# Altium PCB PicoBOB_DLX.pcbdoc (part 3 of 4) (continued)
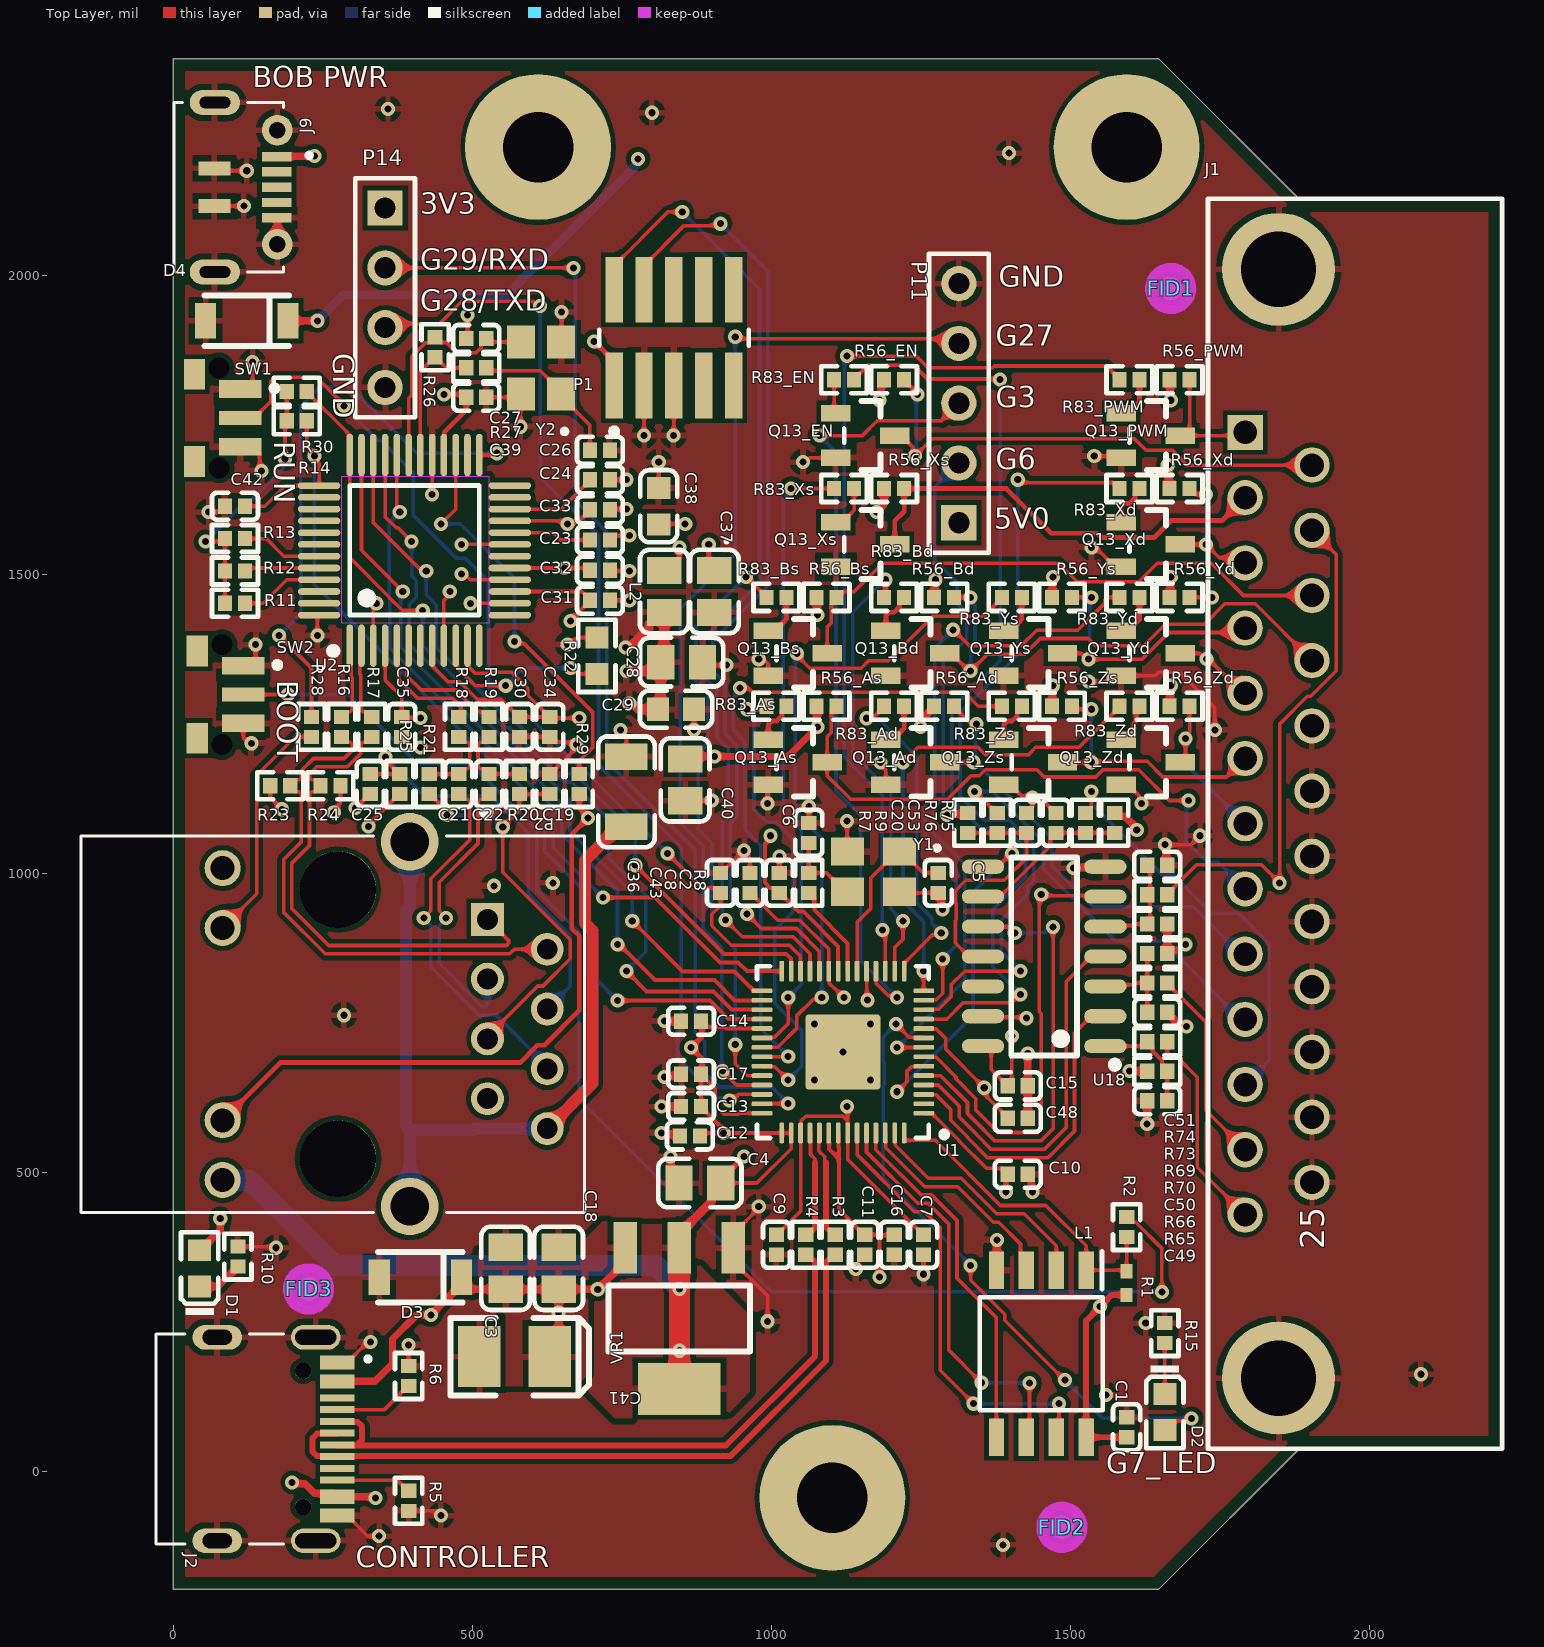
[diagram p0: Top Layer view]
## Nets (pads, with @x,y where several pads share a name; then routed paths per layer and width w, separated by ;. In a path a pad name is that pad's centre, name@x,y a point inside that pad or via, vN(x,y) a via of type N, cw(c..) or ccw(c..) an arc to the next point about the centre after c; other vN are vias at no path point) (continued)
NetC36_2: C36.2 P2.8 P2.15 P2.16 | length 1423.3
  Top Layer w20: P2.8@625.59,573.23 701.1,648.74 701.1,904.51 688.7,916.91 688.7,1021.77 744.68,1077.76 C36.2@757.87,1077.76
  Bottom Layer w20: P2.16@395.67,443.11 395.67,570.87 ; P2.15@395.67,1052.95 395.67,943.91 389.3,937.54 389.3,577.24 395.67,570.87 ; P2.8@625.59,573.23 503.72,573.23 501.36,570.87 395.67,570.87
NetC49_2: C49.2 R65.1 R66.2 U18.1 | length 185.2
  Top Layer w6: U18.1@1559.06,711.22 1621.65,711.22 R66.2@1628.94,718.5 1637.75,709.69 1637.75,703.01 1653.59,687.16 1653.59,678.1 R65.1@1662.4,669.29 C49.2@1662.4,620.08
NetC50_2: C50.2 R69.1 R70.2 U18.3 | length 170.7
  Top Layer w6: U18.3@1559.06,811.22 1561.61,813.78 1603.49,813.78 1606.64,816.93 R70.2@1628.94,816.93 ; C50.2@1628.94,767.72 R69.1@1628.94,866.14
NetC51_2: C51.2 R73.1 R74.2 U18.5 | length 174.1
  Top Layer w6: U18.5@1559.06,911.22 1560.82,912.99 1603.49,912.99 1605.85,915.35 R73.1@1628.94,915.35 1633.86,920.28 1633.86,1008.86 C51.2@1628.94,1013.78
NetC53_2: C53.2 R75.1 R76.2 U18.9 | length 272.7
  Top Layer w6: U18.9@1354.33,961.22 1382.36,961.22 1466.58,1045.44 1466.58,1059.1 1475.39,1067.91 C53.2@1476.38,1067.91 R75.1@1574.8,1067.91
NetD1_K: D1.K R10.1 | length 78.3
  Top Layer w12: D1.K@44.29,309.25 75,309.25 101.47,335.72 101.47,336.71 107.28,342.52 R10.1@108.27,342.52
NetD2_K: D2.K R15.2 | length 85
  Top Layer w6: D2.K@1658.46,129.53 R15.2@1658.46,214.57
NetP2_10: P2.10 R28.2 | length 397.1
  Top Layer w6: P2.10@82.68,908.86 139.6,965.78 139.6,1164 203.94,1228.35 R28.2@231.3,1228.35
NetP2_11: P2.11 R29.2 | length 1057
  Top Layer w8: P2.11@82.68,587.2 179.19,683.72 580.2,683.72 609.22,712.74 620.98,712.74 679.1,770.86 679.1,895.39 666.7,907.8 666.7,1065.32 v1(693.9,1092.52) 693.9,1094.3 679.13,1109.06 R29.2@679.13,1132.87
NetQ13_Ad_1: Q13_Ad.1 R83_Ad.2 | length 75.1
  Top Layer w8: Q13_Ad.1@1191.99,1223.43 1202.82,1223.43 1222.44,1243.05 R83_Ad.2@1222.44,1279.53
NetQ13_As_1: Q13_As.1 R83_As.2 | length 73.5
  Top Layer w8: Q13_As.1@995.14,1223.43 995.14,1249.08 1000.8,1254.74 1008.9,1254.74 1017.78,1263.62 1017.78,1271.72 R83_As.2@1025.59,1279.53
NetQ13_Bd_1: Q13_Bd.1 R83_Bd.2 | length 73.5
  Top Layer w8: Q13_Bd.1@1191.99,1405.51 1191.99,1431.17 1197.65,1436.83 1205.75,1436.83 1214.63,1445.7 1214.63,1453.8 R83_Bd.2@1222.44,1461.61
NetQ13_Bs_1: Q13_Bs.1 R83_Bs.2 | length 75.1
  Top Layer w8: Q13_Bs.1@995.14,1405.51 1005.97,1405.51 1025.59,1425.13 R83_Bs.2@1025.59,1461.61
NetQ13_EN_1: Q13_EN.1 R83_EN.2 | length 57.4
  Top Layer w6: R83_EN.2@1105.31,1825.79 1105.31,1772.7 Q13_EN.1@1108.33,1769.68
NetQ13_PWM_1: Q13_PWM.1 R83_PWM.2 | length 75.1
  Top Layer w8: Q13_PWM.1@1585.69,1769.68 1596.52,1769.68 1616.14,1789.31 R83_PWM.2@1616.14,1825.79
NetQ13_Xd_1: Q13_Xd.1 R83_Xd.2 | length 73.5
  Top Layer w8: Q13_Xd.1@1585.69,1587.6 1585.69,1613.25 1591.35,1618.91 1599.46,1618.91 1608.33,1627.79 1608.33,1635.89 R83_Xd.2@1616.14,1643.7
NetQ13_Xs_1: Q13_Xs.1 R83_Xs.2 | length 75.1
  Top Layer w6: Q13_Xs.1@1108.33,1587.6 1119.16,1587.6 1138.78,1607.22 R83_Xs.2@1138.78,1643.7
NetQ13_Yd_1: Q13_Yd.1 R83_Yd.2 | length 75.1
  Top Layer w8: Q13_Yd.1@1585.69,1405.51 1596.52,1405.51 1616.14,1425.13 R83_Yd.2@1616.14,1461.61
NetQ13_Ys_1: Q13_Ys.1 R83_Ys.2 | length 75.1
  Top Layer w8: Q13_Ys.1@1388.84,1405.51 1399.67,1405.51 1419.29,1425.13 R83_Ys.2@1419.29,1461.61
NetQ13_Zd_1: Q13_Zd.1 R83_Zd.2 | length 75.1
  Top Layer w8: Q13_Zd.1@1585.69,1223.43 1596.52,1223.43 1606.3,1233.2 1606.3,1250.95 1610.08,1254.73 1610.08,1273.46 R83_Zd.2@1616.14,1279.53
NetQ13_Zs_1: Q13_Zs.1 R83_Zs.2 | length 73.5
  Top Layer w8: Q13_Zs.1@1388.84,1223.43 1388.84,1249.08 1394.5,1254.74 1402.61,1254.74 1411.48,1263.62 1411.48,1271.72 R83_Zs.2@1419.29,1279.53
NetR11_2: R11.2 U2.45 | length 140.3
  Top Layer w6: R11.2@120.08,1451.77 150.69,1451.77 190.06,1491.14 U2.45@244.09,1491.14
NetR12_2: R12.2 U2.44 | length 126.1
  Top Layer w6: R12.2@120.08,1505.91 125,1510.83 U2.44@244.09,1510.83
NetR13_2: R13.2 U2.43 | length 136.2
  Top Layer w6: R13.2@120.08,1560.04 155.61,1560.04 185.14,1530.51 U2.43@244.09,1530.51
NetR22_2: R22.2 U2.10 | length 300
  Top Layer w6: U2.10@472.44,1380.91 472.44,1349.62 475.62,1346.44 475.62,1344.03 505.68,1313.98 v1(556.1,1313.98) ; v1(664.37,1343.5) 669.14,1343.5 678.98,1333.66 R22.2@708.66,1333.66
  Bottom Layer w6: v1(556.1,1313.98) 585.63,1343.5 v1(664.37,1343.5)
PICO_RUN: C43.2 SW1.2 U1.26 | length 1607.8
  Top Layer w6: SW1.2@112.2,1761.81 135.83,1761.81 163.36,1789.35 163.36,1823.23 170.02,1829.89 239.79,1829.89 285.43,1784.25 v1(285.43,1781.5) ; v1(826.77,1033.46) 883.91,976.33 906.54,976.33 C43.2@912.78,970.09 ; C43.2@915.35,967.52 915.35,946.11 900.76,931.52 900.76,912.62 933.41,879.97 1030.69,879.97 1048.39,862.27 1048.39,837.43 U1.26@1049.21,836.61
  Bottom Layer w6: v1(285.43,1781.5) 342.81,1724.12 347.73,1724.12 401.74,1670.11 401.74,1598.49 472.84,1527.39 488.12,1527.39 527.29,1488.23 527.29,1310.54 566.46,1271.37 586.14,1271.37 676.56,1180.96 679.28,1180.96 v1(826.77,1033.46)
PICO_SWCLK: P1.4 U1.24 | length 1635.1
  Top Layer w6: P1.4@787.4,1976.18 787.4,2016.54 854.36,2083.5 912.24,2083.5 v1(915.35,2086.61) ; v1(959.65,931.9) 983.57,907.97 1042.29,907.97 1080.71,869.55 U1.24@1080.71,836.61
  Bottom Layer w6: v1(915.35,2086.61) 994.47,2007.5 994.47,1480.82 902.39,1388.74 902.39,1338.98 922.84,1318.53 922.84,1233.99 942.31,1214.52 942.31,1094.65 931.92,1084.26 931.92,959.62 v1(959.65,931.9)
PICO_SWDIO: P1.2 U1.25 | length 1684.3
  Top Layer w6: P1.2@737.4,1976.18 737.4,2016.54 827.17,2106.3 v1(851.38,2106.3) ; v1(923.56,922.07) 951.66,893.97 1036.49,893.97 1064.96,865.5 U1.25@1064.96,836.61
  Bottom Layer w6: v1(851.38,2106.3) 980.47,1977.2 980.47,1486.62 888.39,1394.54 888.39,1327.78 908.84,1307.33 908.84,1228.19 928.31,1208.72 928.31,1100.45 917.92,1090.06 917.92,932.48 923.56,926.84 v1(923.56,922.07)
PROBE: U1.6 U18.8 | length 608.5
  Top Layer w6: v1(1210.63,634.84) 1227.2,651.41 1227.2,669.25 1234.79,676.84 1241.19,676.84 1242.01,677.66 U1.6@1255.41,677.66 ; U18.8@1354.33,1011.22 1379.13,1011.22 1401.38,1033.46 v1(1402.56,1033.46)
  Bottom Layer w6: v1(1210.63,634.84) 1337.55,761.76 1337.55,968.45 v1(1402.56,1033.46)
PROBE_5V: J1.11 R76.1 | length 714.4
  Top Layer w6: R76.1@1525.59,1101.38 1526.57,1101.38 1535.39,1110.19 1535.39,1115.95 1535.43,1116 v1(1535.43,1136.81)
  Bottom Layer w6: v1(1535.43,1136.81) 1536,1136.25 1536,1116 1654.48,997.52 1672.68,997.52 1736.6,933.59 1781.48,933.59 1833.24,881.84 1833.24,687.47 J1.11@1792.72,646.95 J1.11@1792.72,639.57
QSPI_SCLK: L1.6 U1.52 | length 680.8
  Top Layer w6: U1.52@1159.45,565.94 1159.45,533.99 1245.16,448.27 1262.27,448.27 1296.86,413.68 1296.86,202.96 v1(1351.54,148.27) ; L1.6@1426.77,57.09 1432.09,62.4 v1(1432.09,147.64)
  Bottom Layer w6: v1(1351.54,148.27) 1351.86,147.96 1431.77,147.96 v1(1432.09,147.64)
QSPI_SD0: L1.5 U1.53 | length 602.4
  Top Layer w6: U1.53@1175.2,565.94 1175.2,538.04 1250.96,462.27 1268.06,462.27 1310.86,419.48 1310.86,322.89 1376.77,256.98 L1.5@1376.77,57.09
QSPI_SD1: L1.2 U1.55 | length 400.4
  Top Layer w6: U1.55@1206.69,565.94 1207.51,565.13 1207.51,545.32 1262.56,490.27 1317.92,490.27 1377.48,430.72 1423.16,430.72 1476.77,377.11 L1.2@1476.77,336.61
QSPI_SD2: L1.3 U1.54 | length 364.7
  Top Layer w6: U1.54@1190.94,565.94 1191.76,565.13 1191.76,541.27 1256.76,476.27 1312.12,476.27 1371.68,416.72 1380.67,416.72 1416.98,380.41 1416.98,346.41 L1.3@1426.77,336.61
QSPI_SD3: L1.7 U1.51 | length 744.2
  Top Layer w6: U1.51@1143.7,565.94 1143.7,529.94 1239.36,434.27 1256.47,434.27 1282.86,407.88 1282.86,168.91 v1(1338.58,113.19) ; L1.7@1476.77,57.09 1481.3,61.61 v1(1481.3,113.19)
  Bottom Layer w6: v1(1338.58,113.19) v1(1481.3,113.19)
QSPI_SS: L1.1 R1.1 R2.2 U1.56 | length 555.3
  Top Layer w6: U1.56@1222.44,565.94 1222.44,554.63 1223.38,553.69 1274.31,553.69 1383.28,444.72 1459.16,444.72 1526.77,377.11 L1.1@1526.77,336.61 1592.52,336.61 R1.1@1594.49,334.65 R2.2@1594.49,391.73
RP_XIN: C5.1 U1.20 Y1.1 | length 307.3
  Top Layer w6: U1.20@1143.7,836.61 1143.7,918.57 1166.85,941.73 1166.85,992.7 1210.63,1036.48 Y1.1@1214.57,1036.48 ; Y1.1@1218.5,1036.48 1254,1000.98 C5.1@1279.53,1000.98
RP_XOUT: R8.2 U1.21 | length 158.4
  Top Layer w6.69: R8.2@1062.99,967.52 1063.98,967.52 1072.44,959.05 1072.44,938.69 1127.95,883.17 U1.21@1127.95,836.61
RX_C_N: C21.1 P2.6 | length 605
  Top Layer w6: v1(419.1,925.2) 419.1,925.82 430.8,937.52 430.8,990.94 495.79,1055.92 495.79,1120.55 492.27,1124.06 486.17,1124.06 C21.1@477.36,1132.87
  Bottom Layer w6: v1(419.1,925.2) 419.1,924.57 430.8,912.87 430.8,843.81 511.31,763.3 527.87,763.3 527.93,763.36 539.93,763.36 625.59,677.69 P2.6@625.59,673.23
RX_C_P: C22.1 P2.3 | length 485.7
  Top Layer w6: v1(456.5,925.2) 456.5,925.82 444.8,937.52 444.8,985.14 509.79,1050.12 509.79,1120.55 513.3,1124.06 519.4,1124.06 C22.1@528.22,1132.87
  Bottom Layer w6: v1(456.5,925.2) 456.5,924.57 444.8,912.87 444.8,849.61 517.11,777.3 522.08,777.3 525.59,780.82 P2.3@525.59,823.23
RX_N: C21.2 R18.1 R21.2 | length 133.6
  Top Layer w6: R21.2@428.15,1166.34 C21.2@477.36,1166.34 486.17,1175.15 492.27,1175.15 495.79,1178.66 495.79,1216.02 492.27,1219.54 486.17,1219.54 R18.1@477.36,1228.35
RX_P: C22.2 R19.1 R20.2 | length 135.3
  Top Layer w6: R19.1@528.22,1228.35 519.4,1219.54 513.3,1219.54 509.79,1216.02 509.79,1178.66 513.3,1175.15 519.4,1175.15 C22.2@528.22,1166.34 R20.2@579.07,1166.34
RX_R_N: R18.2 U2.5 | length 199.4
  Top Layer w6: U2.5@374.02,1380.91 374.02,1349.62 376.86,1346.78 376.86,1324.69 408.84,1292.71 467.55,1292.71 481.15,1279.11 481.15,1265.6 R18.2@477.36,1261.81
RX_R_P: R19.2 U2.6 | length 218.7
  Top Layer w6: U2.6@393.7,1380.91 393.7,1349.62 390.86,1346.78 390.86,1330.49 414.64,1306.71 473.35,1306.71 501.15,1278.91 501.15,1276.62 507.15,1270.62 519.4,1270.62 R19.2@528.22,1261.81
SCL/RXD: P14.2 U1.41 | length 1957.1
  Top Layer w6: P14.2@354.33,2012.8 v1(669.29,2012.8) ; U1.41@984.74,614.67 984.99,614.91 1028.3,614.91 v1(1028.54,615.16)
  Bottom Layer w6: v1(669.29,2012.8) 672.41,2009.68 672.41,1623.73 725.23,1570.91 725.23,1187.06 872.76,1039.53 872.76,734.3 888.94,718.11 888.94,666.59 912.66,642.88 1000.82,642.88 v1(1028.54,615.16)
SDA/TXD: P14.3 U1.40 | length 1813.5
  Top Layer w6: P14.3@354.33,1912.8 360.99,1919.46 445.28,1919.46 482.68,1956.86 601.27,1956.86 608.88,1949.25 v1(613.64,1949.25) ; v1(930.12,620.08) 934.89,620.08 945.22,630.41 U1.40@984.74,630.41
  Bottom Layer w6: v1(613.64,1949.25) 613.64,1662.7 711.23,1565.11 711.23,1181.26 849.57,1042.91 849.57,748.43 843.34,742.19 843.34,692.4 912.29,623.45 926.75,623.45 v1(930.12,620.08)
SPI_CLK: U1.29 U2.33 | length 1232.3
  Top Layer w6: U2.33@354.33,1699.8 354.33,1596.69 373.14,1577.88 375.86,1577.88 v1(398.62,1555.12)
  Top Layer w6.69: v1(767.72,920.28) 851.75,836.24 938.86,836.24 970.87,804.23 984.15,804.23 U1.29@984.74,803.64
  Bottom Layer w6: v1(398.62,1555.12) 398.62,1498.26 406.66,1490.22 406.66,1461.51 394.49,1449.33 394.49,1383.94 549.06,1229.37 556.7,1229.37 663.67,1122.41 663.67,1070.7 767.72,966.65 v1(767.72,920.28)
SPI_CSn: U1.28 U2.32 | length 1252.3
  Top Layer w6: U2.32@374.02,1699.8 374.02,1614.02 378.94,1609.1 v1(378.94,1604.33)
  Top Layer w6.69: v1(718.5,959.65) 805.99,959.65 914.7,850.93 944.94,850.93 959.26,836.61 U1.28@1017.72,836.61
  Bottom Layer w6: v1(378.94,1604.33) 361.06,1586.45 361.06,1462.01 362.37,1460.7 362.37,1376.47 537.46,1201.37 545.1,1201.37 635.67,1110.81 635.67,1042.48 v1(718.5,959.65)
SPI_PICO: U1.30 U2.35 | length 1283.7
  Top Layer w6: U2.35@314.96,1699.8 314.96,1540.35 v1(383.86,1471.46)
  Top Layer w6.69: v1(743.11,880.91) 746.32,880.91 805.68,821.55 905.32,821.55 938.98,787.89 U1.30@984.74,787.89
  Bottom Layer w6: v1(383.86,1471.46) 380.49,1468.09 380.49,1378.15 543.26,1215.37 550.9,1215.37 649.67,1116.61 649.67,1064.9 743.11,971.46 v1(743.11,880.91)
SPI_POCI: U1.27 U2.34 | length 1230
  Top Layer w6: U2.34@334.65,1699.8 334.65,1586.85 412.21,1509.28 419.86,1509.28 v1(423.23,1505.91)
  Top Layer w6.69: v1(772.64,1013.78) 920.79,865.63 1024.75,865.63 1032.99,857.38 1032.99,837.09 U1.27@1033.46,836.61
  Bottom Layer w6: v1(423.23,1505.91) 423.23,1466.2 440.1,1449.33 440.1,1377.94 560.66,1257.37 568.3,1257.37 658.71,1166.96 671.51,1166.96 772.64,1065.83 v1(772.64,1013.78)
SPINDLE_PWM: R83_PWM.1 U1.17 | length 1533.6
  Top Layer w6: v1(1126.97,1865.16) 1243.02,1865.16 1262.28,1845.9 1370.74,1845.9 1373.43,1848.59 1560.86,1848.59 1582.68,1826.77 R83_PWM.1@1582.68,1825.79 ; v1(1186.02,905.51) 1186.02,900.74 1190.94,895.82 U1.17@1190.94,836.61
  Bottom Layer w6: v1(1126.97,1865.16) 1126.97,1860.39 1122.43,1855.85 1122.43,1194.43 1186.02,1130.84 v1(1186.02,905.51)
SPINDLE_PWM_5V: J1.1 Q13_PWM.3 R56_PWM.1 | length 204.4
  Top Layer w6: Q13_PWM.3@1684.12,1732.28 Q13_PWM.3@1689.02,1732.28 ; R56_PWM.1@1699.8,1825.79 1699.8,1743.06 Q13_PWM.3@1689.02,1732.28 ; J1.1@1790.55,1732.28 Q13_PWM.3@1689.02,1732.28
STEP_A: R83_As.1 U1.37 | length 789.9
  Top Layer w6: v1(959.65,1274.61) 987.2,1274.61 R83_As.1@992.13,1279.53 ; U1.37@984.74,677.66 985.56,676.84 1006.23,676.84 v1(1028.54,654.53)
  Bottom Layer w6: v1(959.65,1274.61) 959.65,1269.84 971.29,1258.19 971.29,1107.68 993.18,1085.8 1008.46,1085.8 1036.58,1057.67 1036.58,935.7 1005.74,904.85 1005.74,782.88 1051.35,737.27 1051.35,677.33 v1(1028.54,654.53)
STEP_A_5V: J1.8 Q13_As.3 R56_As.1 | length 1003.3
  Top Layer w6: R56_As.1@1109.25,1279.53 1100.56,1270.83 1100.56,1235.63 1093.57,1228.64 1093.57,1163.24 1132.96,1123.85 1295.03,1123.85 1334.4,1163.22 1348.03,1163.22 1358.2,1173.39 1444.48,1173.39 1456.63,1161.25 1542.91,1161.25 1555.05,1173.39 1614.85,1173.39 1666.2,1122.05 v1(1697.83,1122.05)
  Bottom Layer w6: v1(1697.83,1122.05) 1694.72,1118.93 1694.72,1053.55 1729.36,1018.91 1747.92,1018.91 J1.8@1792.72,974.11 J1.8@1792.72,966.73
STEP_B: R83_Bs.1 U1.38 | length 991.5
  Top Layer w6: v1(939.96,713.58) 939.96,681.97 960.02,661.91 U1.38@984.74,661.91 ; v1(957.67,1496.06) 958.66,1496.06 992.13,1462.6 R83_Bs.1@992.13,1461.61
  Bottom Layer w6: v1(939.96,713.58) 939.96,873.42 900.76,912.62 900.76,1051.15 877.79,1074.12 877.79,1200.39 893.87,1216.47 893.87,1302.51 874.39,1321.98 874.39,1412.79 v1(957.67,1496.06)
STEP_B_5V: J1.16 Q13_Bs.3 R56_Bs.1 | length 970.5
  Top Layer w6: Q13_Bs.3@1093.57,1368.11 1093.57,1411.86 1100.56,1418.85 1100.56,1452.92 1115.85,1468.22 1115.85,1469.2 1118.06,1471.41 1138.96,1471.41 1186.42,1518.87 1480.9,1518.87 1511.74,1488.02 1614.85,1488.02 1645.69,1518.87 1735.94,1518.87 1789.94,1464.86 1897.15,1464.86 J1.16@1904.53,1457.48
STEP_X: R83_Xs.1 U1.34 | length 1047.3
  Top Layer w6: U1.34@984.74,724.9 985.56,725.72 1005.37,725.72 1028.54,748.9 v1(1028.54,792.32) ; v1(1033.46,1643.7) R83_Xs.1@1105.32,1643.7
  Bottom Layer w6: v1(1028.54,792.32) 1050.58,814.36 1050.58,1072.57 1020.5,1102.65 1020.5,1627.23 1033.46,1640.19 v1(1033.46,1643.7)
STEP_X_5V: J1.2 Q13_Xs.3 R56_Xs.1 | length 731.8
  Top Layer w8: Q13_Xs.3@1206.76,1550.2 1206.76,1589.6 1222.44,1605.28 R56_Xs.1@1222.44,1643.7 1393.5,1643.7 1468.12,1569.08 1545.54,1569.08 1552.8,1561.83 1640.4,1561.83 1668.83,1590.25 1754.52,1590.25 J1.2@1792.72,1628.44
STEP_Y: R83_Ys.1 U1.35 | length 1146.6
  Top Layer w6: U1.35@984.74,709.15 1010.97,709.15 1042.54,740.73 1042.54,761.58 1069.91,788.95 1081.27,788.95 v1(1084.65,792.32) ; v1(1043.31,1368.11) 1043.31,1364.44 1064.41,1343.34 1150.69,1343.34 1162.83,1355.48 1195.89,1355.48 1270.69,1430.28 1355.48,1430.28 1385.83,1460.63 R83_Ys.1@1385.83,1461.61
  Bottom Layer w6: v1(1043.31,1368.11) 1040.19,1364.99 1040.19,1102.76 1084.65,1058.3 v1(1084.65,792.32)
STEP_Y_5V: J1.4 Q13_Ys.3 R56_Ys.1 | length 465.9
  Top Layer w6: Q13_Ys.3@1487.27,1368.11 1518.86,1368.11 1528.7,1358.27 1620.34,1358.27 1665.03,1402.95 J1.4@1792.72,1402.95 ; R56_Ys.1@1502.95,1461.61 v1(1535.43,1461.61)
  Bottom Layer w6: v1(1530.51,1358.27) 1532.97,1360.73 1532.97,1459.15 v1(1535.43,1461.61)
STEP_Z: R83_Zs.1 U1.36 | length 1149.3
  Top Layer w6: v1@954.8,1317.12 968.6,1303.32 1322.47,1303.32 1346.25,1279.53 R83_Zs.1@1385.83,1279.53 ; U1.36@984.74,693.41 984.99,693.65 1028.3,693.65 v1(1028.54,693.9)
  Bottom Layer w6: v1(947.74,1310.06) 947.74,1305.29 936.84,1294.4 936.84,1239.79 956.31,1220.32 956.31,1073.44 982.45,1047.31 982.45,739.99 v1(1028.54,693.9)
STEP_Z_5V: J1.6 Q13_Zs.3 R56_Zs.1 | length 449.7
  Top Layer w6: Q13_Zs.3@1487.27,1186.02 v1(1535.43,1186.02) 1536.8,1187.39 1628.82,1187.39 1654.96,1161.25 1761.74,1161.25 1785.33,1184.84 J1.6@1792.72,1184.84 ; R56_Zs.1@1502.95,1279.53 1507.87,1274.61 v1(1535.43,1274.61)
  Bottom Layer w6: v1(1535.43,1186.02) v1(1535.43,1274.61)
STP_EN_XYZAB: R83_EN.1 U1.11 | length 1623.6
  Top Layer w6: R83_EN.1@1138.78,1825.79 1138.78,1826.77 1161.58,1849.57 1238.8,1849.57 1261.44,1826.94 1381.72,1826.94 v1(1382.87,1825.79) ; U1.11@1255.41,756.4 1293.64,756.4 1321.26,784.02 1401.11,784.02 1414.33,797.24 v1(1417.32,797.24)
  Bottom Layer w6: v1(1382.87,1825.79) 1382.87,1355.55 1301.78,1274.45 1301.78,1123.6 1350.32,1075.05 1393.22,1075.05 1425.36,1042.91 1425.36,994.51 1370.68,939.82 1370.68,843.89 v1(1417.32,797.24)
STP_EN_XYZAB_5V: J1.14 Q13_EN.3 R56_EN.1 | length 888.6
  Top Layer w6: Q13_EN.3@1206.76,1732.28 1217.58,1732.28 1236.85,1713.02 1236.85,1701.14 v1(1240.16,1697.83) 1269.26,1726.94 1607.57,1726.94 1626.99,1707.51 1671.19,1707.51 1695.73,1682.97 J1.14@1904.53,1682.97 ; R56_EN.1@1222.44,1825.79 1222.44,1824.8 1245.08,1802.17 v1(1245.08,1801.18)
  Bottom Layer w6: v1(1240.16,1697.83) 1242.62,1700.3 1242.62,1798.72 v1(1245.08,1801.18)
TX_N: P2.2 R16.1 R23.2 | length 876.4
  Top Layer w6: R16.1@281.61,1228.35 290.42,1219.54 296.24,1219.54 299.76,1216.02 299.76,1206.35 285.68,1192.27 234.55,1192.27 213.96,1171.69 213.96,1159.96 210.45,1156.45 204.68,1156.45 195.87,1147.64 195.87,1145.67 204.68,1136.86 210.45,1136.86 213.96,1133.34 213.96,1052.48 184.61,1023.13 184.61,935.35 254.46,865.5 563.12,865.5 570.85,873.23 P2.2@625.59,873.23
TX_P: P2.1 R17.1 R24.2 | length 841.6
  Top Layer w6: R17.1@331.91,1228.35 323.1,1219.54 317.27,1219.54 313.76,1216.02 313.76,1200.55 291.48,1178.27 240.34,1178.27 227.96,1165.89 227.96,1159.96 231.48,1156.45 237.25,1156.45 246.06,1147.64 246.06,1145.67 237.25,1136.86 231.48,1136.86 227.96,1133.34 227.96,1046.68 198.61,1017.33 198.61,941.15 260.26,879.5 557.32,879.5 560.83,883.02 560.83,887.99 P2.1@525.59,923.23
TX_R_N: R16.2 U2.1 | length 131.9
  Top Layer w6: R16.2@281.61,1261.81 290.42,1270.62 296.24,1270.62 299.76,1274.14 299.76,1326.14 298.12,1327.78 298.12,1346.78 295.28,1349.62 U2.1@295.28,1380.91
TX_R_P: R17.2 U2.2 | length 131.9
  Top Layer w6: U2.2@314.96,1380.91 314.96,1349.62 312.12,1346.78 312.12,1333.58 313.76,1331.94 313.76,1274.14 317.27,1270.62 323.1,1270.62 R17.2@331.91,1261.81
UART_TX: P1.6
USB_D_N: J2.A7 J2.B7 R4.1 | length 1117.4
  Top Layer w10: J2.A7@274.41,44.29 275.2,43.5 924.41,43.5 1073.68,192.77 1073.68,349.54 1067.82,355.39 1064.88,355.39 R4.1@1058.07,362.2 ; J2.B7@274.41,83.66 275.2,82.87 308.33,82.87 315.94,75.26 315.94,52.69 308.33,45.08
USB_D_P: J2.A6 J2.B6 R3.1 | length 1182
  Top Layer w10: J2.B6@274.41,24.61 J2.B6@275.2,25.39 ; J2.A6@274.41,63.98 273.62,63.19 240.48,63.19 232.87,55.58 232.87,33 240.48,25.39 J2.B6@275.2,25.39 ; R3.1@1107.28,362.2 1100.47,355.39 1097.53,355.39 1091.68,349.54 1091.68,185.32 931.87,25.5 308.44,25.5 308.33,25.39 J2.B6@275.2,25.39
USB_D_R_N: R4.2 U1.46 | length 182.3
  Top Layer w6: U1.46@1064.96,565.94 1065.78,565.13 1065.78,545.32 1065.83,545.27 1065.83,530.08 1073.94,521.97 1073.94,517 1073.68,516.73
  Top Layer w10: R4.2@1058.07,395.67 1064.88,402.48 1067.82,402.48 1073.68,408.34 1073.68,516.73
USB_D_R_P: R3.2 U1.47 | length 183.7
  Top Layer w6: U1.47@1080.71,565.94 1079.89,565.13 1079.89,545.32 1079.83,545.27 1079.83,535.88 1089.68,526.04 1089.68,518.73 1091.68,516.73
  Top Layer w10: 1091.68,516.73 1091.68,408.34 1097.53,402.48 1100.47,402.48 R3.2@1107.28,395.67
USBC_CC1: J2.A5 R6.1 | length 135.6
  Top Layer w6: J2.A5@274.41,103.35 353.35,103.35 392.72,142.72 R6.1@393.7,142.72
USBC_CC2: J2.B5 R5.1 | length 126.6
  Top Layer w6: J2.B5@274.41,-14.76 375,-14.76 392.72,-32.48 R5.1@393.7,-32.48
VREG_1V1: C7.2 C8.2 C9.2 U1.23 U1.45 U1.50 | length 1028
  Top Layer w6: C8.2@964.57,967.52 965.55,967.52 1011.1,921.97 1048.09,921.97 1096.46,873.6 U1.23@1096.46,836.61 1097.28,835.8 1097.28,815.99 1106.23,807.04 1107.33,807.04 v1(1122.05,792.32) ; C9.2@1008.86,395.67 1009.84,395.67 1049.21,435.04 U1.45@1049.21,565.94 1050.03,566.76 1050.03,586.57 1057.62,594.16 1119.54,594.16 1127.13,586.57 ; v1(1126.97,610.24) 1127.95,609.25 1127.95,521.65 1253.94,395.67 C7.2@1254.92,395.67
  G2_PWR w6: v1(1122.05,792.32) 1122.05,759.46 1097.28,734.69 1097.28,679.3 1126.97,649.61 v1(1126.97,610.24)
W5500_INTn: R30.1 U1.31 U2.36 | length 1503.4
  Top Layer w6: R30.1@223.43,1806.1 223.43,1805.12 294.31,1734.23 294.31,1700.76 U2.36@295.28,1699.8 295.28,1528.31 362.37,1461.22 362.37,1460.7 383.18,1439.89 v1(417.29,1439.89)
  Top Layer w6.69: v1(757.87,836.61) 791.73,802.76 903.33,802.76 933.95,772.15 U1.31@984.74,772.15
  Bottom Layer w6: v1(417.29,1439.89) 417.29,1380.94 554.86,1243.37 562.5,1243.37 652.92,1152.96 665.71,1152.96 728.11,1090.55 728.11,1026.06 790.52,963.65 790.52,869.26 v1(757.87,836.61)
W5500_RSTn: C42.2 R14.1 U1.32 U2.37 | length 1634.5
  Top Layer w6: C42.2@120.08,1614.17 153.15,1614.17 187.6,1648.62 U2.37@244.09,1648.62 244.09,1685.19 236.22,1693.07 236.22,1701.67 223.43,1714.47 R14.1@223.43,1756.89
  Top Layer w6.69: v1(743.11,787.4) 897.91,787.4 928.91,756.4 U1.32@984.74,756.4
  Bottom Layer w6: v1(236.22,1697.83) 236.22,1482.82 531.66,1187.37 539.31,1187.37 621.67,1105.01 621.67,1036.68 692.1,966.25 692.1,838.41 v1(743.11,787.4)
X_LIM: U1.4 U18.4 | length 635.8
  Top Layer w6: U1.4@1255.41,646.16 1279.27,646.16 1314.41,611.02 1314.41,592.8 1342.83,564.38 1342.83,563.64 1367.71,538.76 1457.1,538.76 1493.39,575.05 1493.39,819.17 1535.43,861.22 U18.4@1559.06,861.22
X_LIM_5V: J1.12 R70.1 | length 340.4
  Top Layer w6: R70.1@1662.4,816.93 1662.4,815.94 1726.89,751.46 1726.89,603.72 J1.12@1792.72,537.89 J1.12@1792.72,530.51
XI: R26.1 R27.1 U2.30 | length 233.7
  Top Layer w6: U2.30@413.39,1699.8 413.39,1839.57 437.01,1863.19 438.98,1863.19 456.69,1845.47 R27.1@490.16,1845.47
XO: C27.2 R26.2 U2.31 Y2.3 | length 389.7
  Top Layer w6: U2.31@393.7,1699.8 393.7,1794.86 399.39,1800.55 399.39,1864.73 422.49,1887.84 429.18,1887.84 R26.2@437.99,1896.65 446.8,1887.84 456.85,1887.84 473.79,1870.9 506.52,1870.9 514.81,1879.19 514.81,1885.87 C27.2@523.62,1894.68 529.53,1888.78 Y2.3@581.69,1888.78
Y_LIM: U1.3 U18.2 | length 552.5
  Top Layer w6: U1.3@1255.41,630.41 1256.23,629.59 1276.04,629.59 1300.41,605.22 1300.41,587 1328.83,558.58 1328.83,557.84 1361.91,524.76 1462.89,524.76 1507.39,569.26 1507.39,733.17 1535.43,761.22 U18.2@1559.06,761.22
Y_LIM_5V: J1.13 R66.1 | length 357.6
  Top Layer w6: R66.1@1662.4,718.5 1662.4,698.15 1667.47,693.08 1678.77,693.08 1712.89,658.96 1712.89,508.67 J1.13@1792.72,428.84 J1.13@1792.72,421.46
YEL_LED: R29.1 U2.27 | length 684.6
  Top Layer w6: v1(447.83,1584.65) 472.44,1609.25 U2.27@472.44,1699.8 ; v1(570.87,1387.8) 574.24,1384.42 586.8,1384.42 701.94,1269.29 701.94,1211.03 679.13,1188.22 R29.1@679.13,1166.34
  Bottom Layer w6: v1(447.83,1584.65) 480.08,1584.65 570.87,1493.86 v1(570.87,1387.8)
Z_LIM: U1.7 U18.6 | length 767.5
  Top Layer w6: U1.7@1255.41,693.41 1256.23,692.59 1276.04,692.59 1309.23,659.4 1309.23,656.56 1342.41,623.37 1342.41,604.4 1370.83,575.98 1370.83,575.23 1379.31,566.76 1445.5,566.76 1451.94,573.2 1451.94,765.35 1448.65,768.63 1448.65,961.45 v1(1451.77,964.57) 1453.44,962.89 1557.38,962.89 U18.6@1559.06,961.22
Z_LIM_5V: J1.15 R74.1 | length 867.7
  Top Layer w6: R74.1@1662.4,964.57 1662.4,965.55 1711.48,1014.63 1820.01,1014.63 v1(1850.39,984.25) 1850.39,1249.92 1896.63,1296.16 1902.18,1296.16 1945.05,1339.02 1945.05,1533.4 1911.91,1566.54 J1.15@1904.53,1566.54
pads on no net: FID1.1 FID2.1 FID3.1 J2. J2.A8 J2.B8 J9.2 J9.3 J9.4 P1.7 P1.8 P1.9 P1.10 P2. P2.7 SW1.MH1 SW1.MH2 SW1.MP1 SW1.MP2 SW2.MH1 SW2.MH2 SW2.MP1 SW2.MP2 U2.7 U2.12 U2.13 U2.18 U2.23 U2.24 U2.26 U2.38 U2.39 U2.40 U2.41 U2.42 U2.46 U2.47 U18.12

## Polygon pours and split planes (outlines as drawn)
+3.3V on G2_PWR "+3.3V_L03_P004" (solid, pour order 4): 300.2,2165.35 900.59,2165.35 954.72,2111.22 954.72,1279.53 787.4,1279.53 300.2,1766.73
+5V on G2_PWR "+5V_L03_P006" (solid, remove dead copper, pour order 6): 0,-196.85 2219.49,-196.85 2219.49,2362.2 0,2362.2
+3.3V on G2_PWR "NONET_L-01_P-001" (solid, remove dead copper, pour order 5): 787.4,1186.02 787.4,1417.32 895.67,1417.32 1225.39,1087.6 1432.09,1087.6 1579.72,939.96 1579.72,270.67 1555.12,246.06 787.4,246.06
+3.3V_A on G2_PWR "+3.3V_A_L03_P003" (solid, pour order 3): 27.94,1577.95 549.59,1577.95 603.72,1632.09 731.68,1632.09 797.68,1566.08 797.68,1284.71 539.75,1026.77 190.34,1026.77 18.09,1199.02 18.09,1568.11
GND on G1_GND "GND_L02_P000" (solid, remove dead copper, pour order 0): 0,-196.85 2219.49,-196.85 2219.49,2362.2 0,2362.2
GND on Top Layer "GND_L01_P011" (solid, remove dead copper, pour order 11): 0,-196.85 2219.49,-196.85 2219.49,2362.2 0,2362.2
+5V on Top Layer "+5V_L01_P009" (solid, pour order 9): 462.6,354.33 556.1,260.83 556.1,142.72 664.37,142.72 669.29,137.8 693.9,162.4 693.9,334.65 733.27,334.65 772.64,374.02 767.72,378.94 767.72,418.31 718.5,418.31 669.29,369.09 472.44,369.09
+3.3V_A on Top Layer "+3.3V_A_L01_P002" (solid, pour order 2): 851.38,1461.61 767.72,1461.61 728.35,1422.24 728.35,1303.29 784.32,1247.31 836.94,1247.31 856.3,1266.68 856.3,1456.69
+3.3V on Top Layer "+3.3V_L01_P010" (solid, pour order 10): 738.19,413.39 693.9,369.09 693.9,132.87 738.19,88.58 920.28,88.58 964.57,132.87 964.57,260.83 871.06,354.33 871.06,413.39
GND on Bottom Layer "GND_L04_P001" (solid, remove dead copper, pour order 1): 0,-196.85 2219.49,-196.85 2219.49,2362.2 0,2362.2

## Keep-outs
Top Layer:
  rectangle: 280.73,1419.23 528.46,1663.16

## Other copper
Top Layer:
  pour cut-out: 1008.86,816.93 1010.23,815.55 1237.7,815.55 1237.7,588.1 1235.24,585.63 1003.94,585.63

## Silkscreen, mask and mechanical layers (free items; w line width, h text height)
Top Overlay:
  lines w10: 925.2,1555.12 925.2,1555.12
  text "BOB PWR" at 132.87,2303.16 h60
  text "3V3" at 413.39,2091.6 h60
  text "G29/RXD" at 413.39,1998.03 h60
  text "GND" at 1380.67,1969.41 h60
  text "G28/TXD" at 413.39,1929.13 h60
  text "G27" at 1375.75,1870.98 h60
  text "GND" at 255.91,1870.08 h60 r270
  text "G3" at 1375.75,1767.69 h60
  text "RUN" at 157.49,1722.44 h60 r270
  text "G6" at 1375.75,1664.29 h60
  text "5V0" at 1373.03,1564.97 h60
  text "BOOT" at 162.57,1322.68 h60 r270
  text "G7_LED" at 1560.04,-14.78 h60
  text "CONTROLLER" at 305.12,-172.23 h60
Bottom Overlay:
  drawing of 679 lines, arcs and shapes, not listed
  text "PicoBOB Deluxe CNC Controller" at 1166.33,1245.08 h60 r90
  text "Licensed under CERN-OHL-S v2" at 1229.78,1245.08 h50 r90
  text "REV '.VarRevNo'" at 1293.6,1245.08 h60 r90
Top Solder:
  drawing of 1270 lines, arcs and shapes, not listed
  text "Expatria" at 901.26,2204.08 h60
  text "Technologies" at 1025.77,2118.41 h40